# Allegro board TubiiPCB_V6.brd (continued)
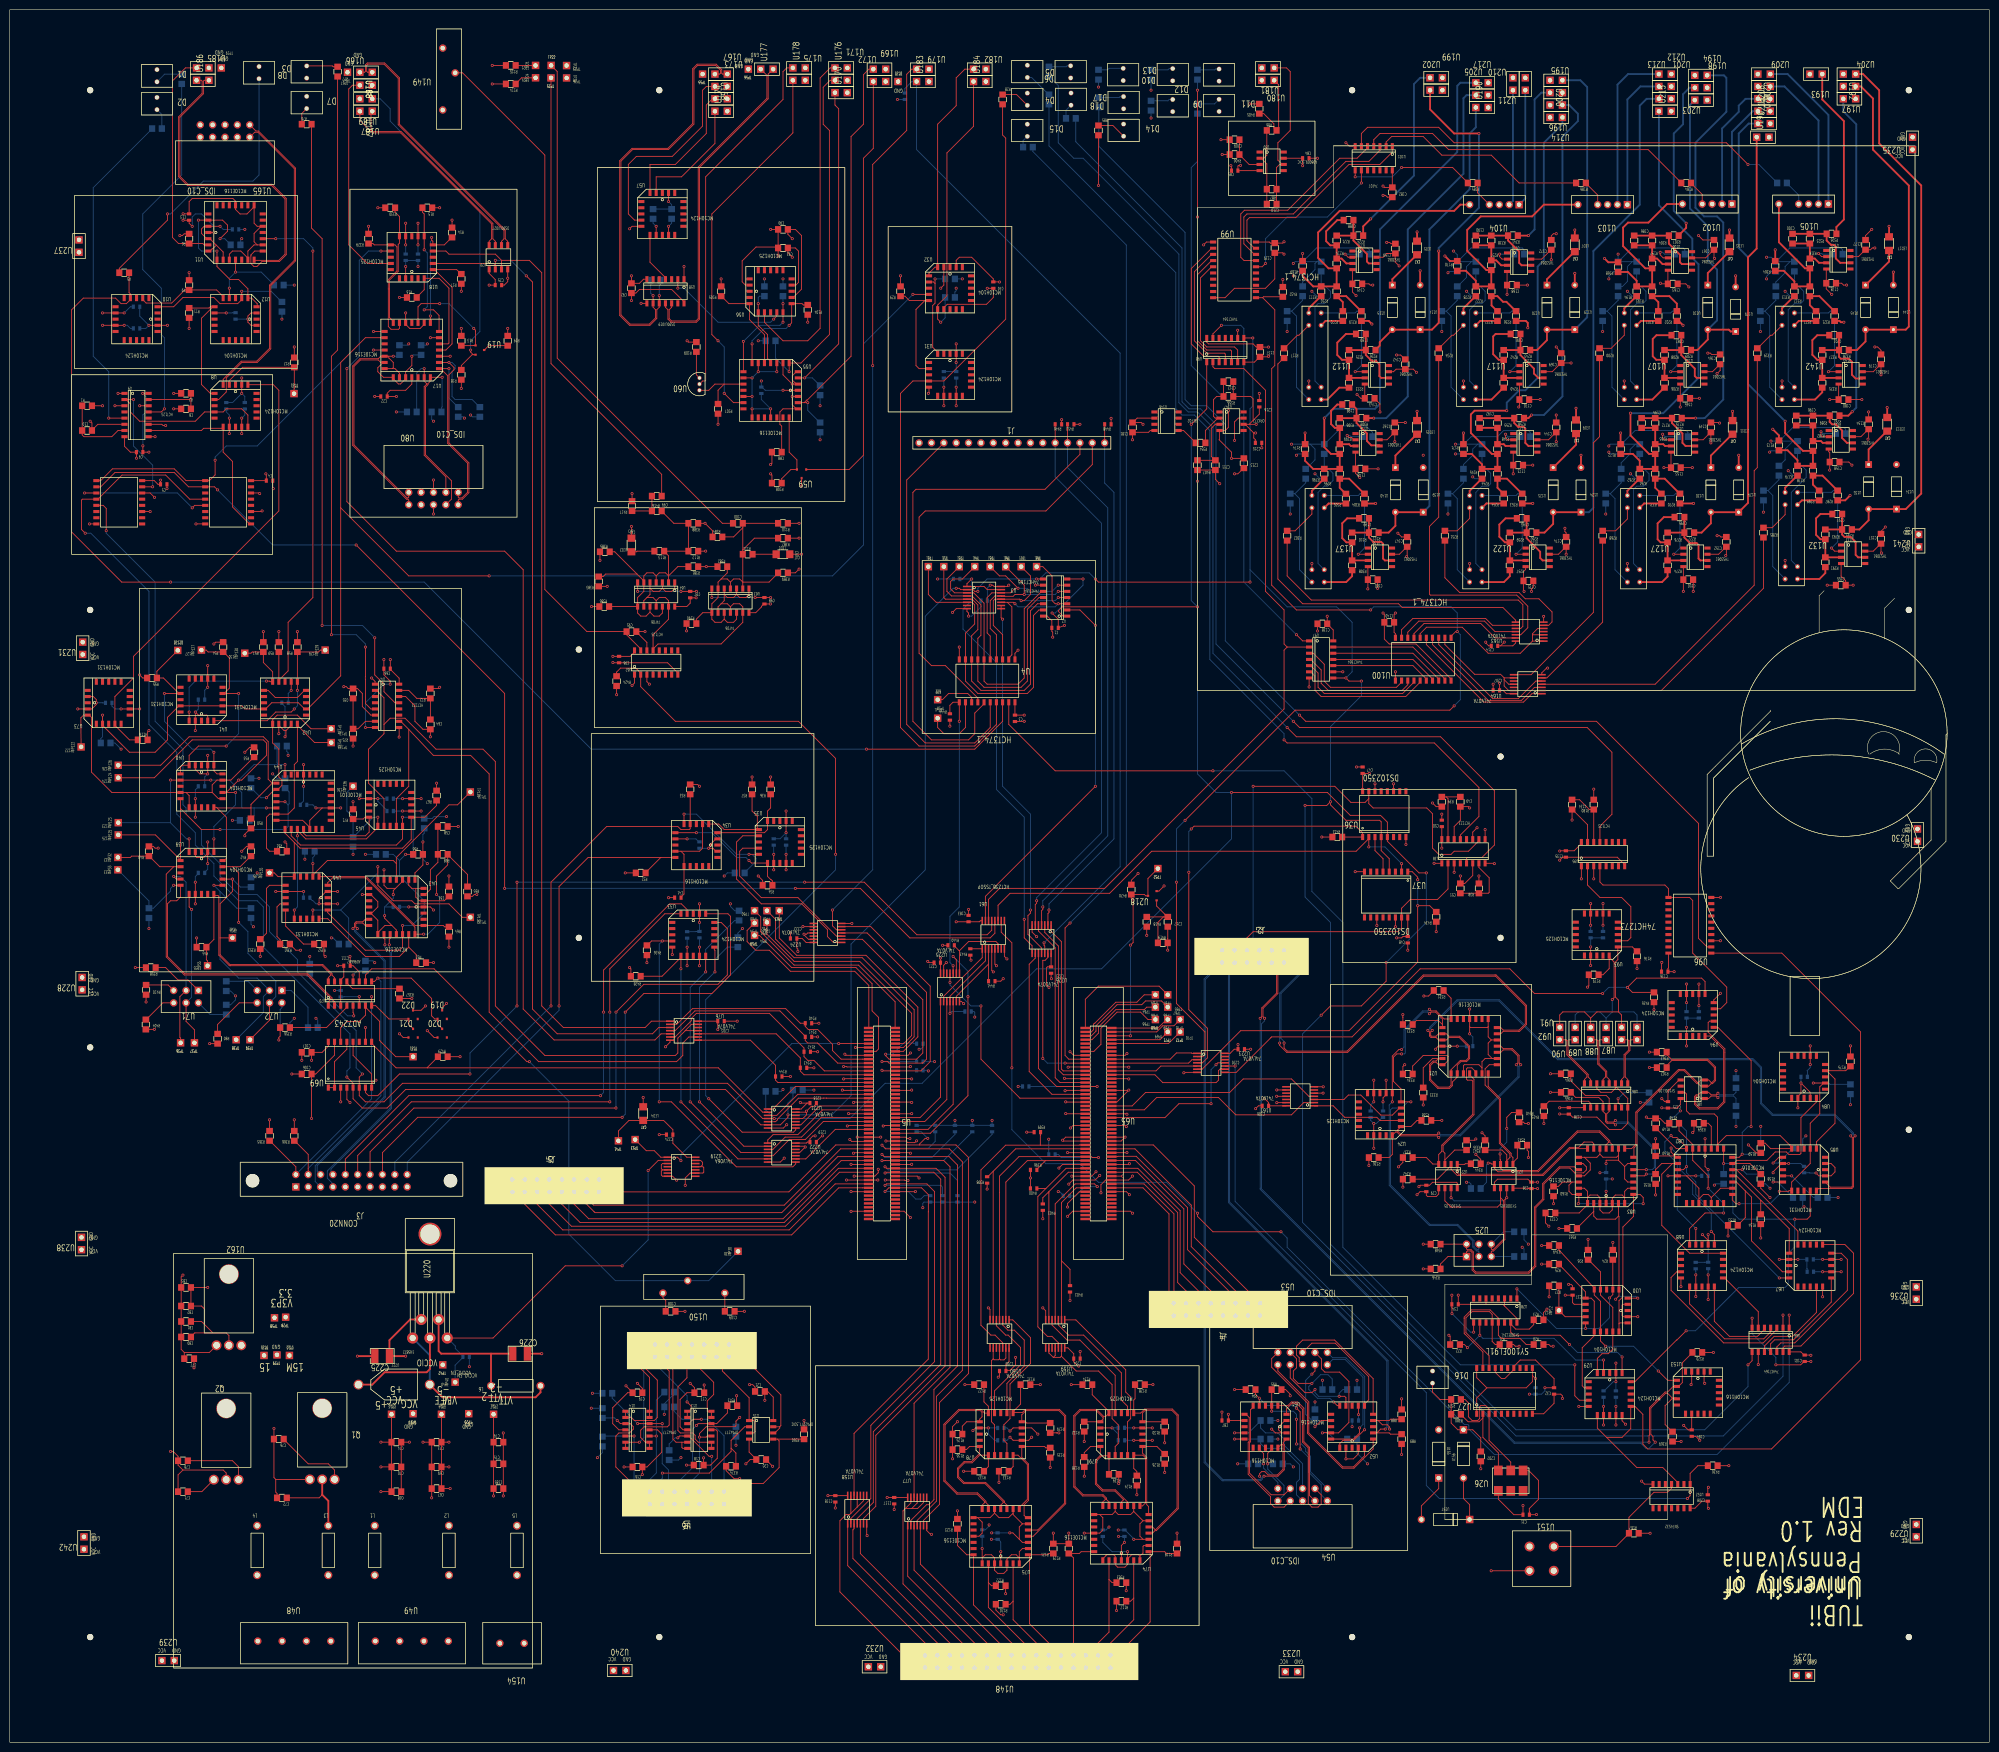
[diagram p0: board, top side]
## Routing (per net, layer and track width the routed paths; a pad name or vN(x,y) marks a point on that pad's centre or on a via; arc(x,y) is an arc through that point) (continued)
41.03,202.96 ; v1(40.64,202.56) 41.03,202.17 ; U182.2 201.08,344.08 ; U182.2 199.73,344.08 ; U182.2 201.08,342.73 ; U182.2 199.73,342.73 ; 37.71,211.06 v1(38.1,211.45) ; v1(38.1,211.45) 38.49,211.85 ; v1(38.1,211.45) 37.71,211.85 ; v1(38.1,211.45) 38.49,211.06 ; v1(302.89,187.33) 303.29,187.72 ; v1(302.89,187.33) 303.29,186.93 ; v1(302.89,187.33) 302.5,187.72 ; v1(302.89,187.33) 302.5,186.93 ; v1(220.6,42.93) 220.99,42.53 ; v1(220.6,42.93) 220.21,42.53 ; v1(220.6,42.93) 220.99,43.32 ; v1(220.6,42.93) 220.21,43.32 ; 54.85,144.54 v1(55.25,144.15) ; v1(55.25,144.15) 55.64,143.75 ; v1(55.25,144.15) 55.64,144.54 ; v1(55.25,144.15) 54.85,143.75 ; D17.1 218.38,339 ; D17.1 217.39,338.01 ; D17.1 217.39,339 ; D17.1 218.38,338.01 ; v1(149.1,60.96) 149.49,60.57 ; v1(149.1,60.96) 149.49,61.35 ; v1(149.1,60.96) 148.7,61.35 ; v1(149.1,60.96) 148.7,60.57 ; 250.98,88.24 J4.6 ; J4.6 252.32,88.24 ; J4.6 250.98,86.89 ; J4.6 252.32,86.89 ; 188.05,340.19 U183.2 ; U183.2 189.4,341.54 ; U183.2 188.05,341.54 ; U183.2 189.4,340.19 ; 120.26,58.81 v1(120.65,58.42) ; v1(120.65,58.42) 120.26,58.03 ; v1(120.65,58.42) 121.04,58.81 ; v1(120.65,58.42) 121.04,58.03 ; 159.88,166.51 v1(160.27,166.12) ; v1(160.27,166.12) 159.88,165.72 ; v1(160.27,166.12) 160.67,165.72 ; v1(160.27,166.12) 160.67,166.51 ; 338.77,160.46 v1(339.17,160.07) ; v1(339.17,160.07) 339.56,159.67 ; v1(339.17,160.07) 339.56,160.46 ; v1(339.17,160.07) 338.77,159.67 ; 329.35,77.43 v1(329.75,77.82) ; v1(329.75,77.82) 330.14,77.43 ; v1(329.75,77.82) 330.14,78.21 ; v1(329.75,77.82) 329.35,78.21 ; v1(17.78,213.36) 18.17,212.97 ; v1(17.78,213.36) 17.39,213.75 ; v1(17.78,213.36) 18.17,213.75 ; v1(17.78,213.36) 17.39,212.97 ; 185.31,107.3 v1(184.91,107.7) 184.52,107.3 ; 188.84,43.07 v1(189.23,42.67) ; v1(189.23,42.67) 188.84,42.28 ; v1(189.23,42.67) 189.62,43.07 ; v1(189.23,42.67) 189.62,42.28 ; v1(90.17,177.8) 90.56,177.41 ; v1(90.17,177.8) 89.78,178.19 ; v1(90.17,177.8) 89.78,177.41 ; v1(90.17,177.8) 90.56,178.19 ; v1(78.74,173.99) 79.13,174.38 ; v1(78.74,173.99) 79.13,173.6 ; v1(78.74,173.99) 78.35,173.6 ; v1(78.74,173.99) 78.35,174.38 ; 307.94,340.96 U211.2 ; U211.2 309.28,342.3 ; U211.2 309.28,340.96 ; U211.2 307.94,342.3 ; 219.37,80.61 v1(219.76,80.21) ; v1(219.76,80.21) 220.15,79.82 ; v1(219.76,80.21) 220.15,80.61 ; v1(219.76,80.21) 219.37,79.82 ; J4.2 257.4,86.89 ; J4.2 257.4,88.24 ; J4.2 256.06,88.24 ; J4.2 256.06,86.89 ; 14.31,225.13 U231.2 ; U231.2 15.66,226.48 ; U231.2 15.66,225.13 ; U231.2 14.31,226.48 ; 297.42,178.19 v1(297.81,177.8) ; v1(297.81,177.8) 298.21,177.41 ; v1(297.81,177.8) 297.42,177.41 ; v1(297.81,177.8) 298.21,178.19 ; 208.42,343.71 D5.1 ; D5.1 209.41,343.71 ; D5.1 208.42,344.7 ; D5.1 209.41,344.7 ; 273.93,57.77 v1(274.32,58.17) ; v1(274.32,58.17) 274.71,57.77 ; v1(274.32,58.17) 273.93,58.56 ; v1(274.32,58.17) 274.71,58.56 ; v1(74.68,289.56) 75.07,289.17 ; v1(74.68,289.56) 75.07,289.95 ; v1(74.68,289.56) 74.28,289.95 ; v1(74.68,289.56) 74.28,289.17 ; v1(55.25,207.01) 55.64,207.4 ; v1(55.25,207.01) 54.85,206.62 ; v1(55.25,207.01) 54.85,207.4 ; v1(55.25,207.01) 55.64,206.62 ; 68.67,342.1 TP57.1 ; TP57.1 70.02,342.1 ; TP57.1 68.67,343.45 ; TP57.1 70.02,343.45 ; 378.29,337.99 U204.2 ; U204.2 379.64,336.64 ; U204.2 379.64,337.99 ; U204.2 378.29,336.64 ; U185.2 41.57,344.34 ; U185.2 41.57,342.99 ; U185.2 40.22,342.99 ; U185.2 40.22,344.34 ; D15.1 209.41,332.6 ; D15.1 209.41,331.61 ; D15.1 208.42,332.6 ; D15.1 208.42,331.61 ; 211.7,89.55 v1(212.09,89.15) ; v1(212.09,89.15) 211.7,88.76 ; v1(212.09,89.15) 212.48,89.55 ; v1(212.09,89.15) 212.48,88.76 ; U148.8 219.05,14.63 ; U148.8 217.7,15.98 ; U148.8 219.05,15.98 ; U148.8 217.7,14.63 ; 269.24,132.84 v1(269.63,133.23) ; v1(269.63,133.23) 270.02,132.84 ; v1(269.63,133.23) 270.02,133.63 ; v1(269.63,133.23) 269.24,133.63 ; v1(86.61,50.16) 87.01,49.77 ; v1(86.61,50.16) 86.22,49.77 ; v1(86.61,50.16) 86.22,50.56 ; v1(86.61,50.16) 87.01,50.56 ; 314.77,72.37 v1(315.17,72.77) ; v1(315.17,72.77) 315.56,73.16 ; v1(315.17,72.77) 314.77,73.16 ; v1(315.17,72.77) 315.56,72.37 ; 275.83,178.3 v1(276.22,178.69) ; v1(276.22,178.69) 275.83,179.08 ; v1(276.22,178.69) 276.62,179.08 ; v1(276.22,178.69) 276.62,178.3 ; 240.82,88.24 J4.14 ; J4.14 240.82,86.89 ; J4.14 242.16,88.24 ; J4.14 242.16,86.89 ; 276.11,199.78 v1(276.5,200.18) ; v1(276.5,200.18) 276.11,200.57 ; v1(276.5,200.18) 276.9,200.57 ; v1(276.5,200.18) 276.9,199.78 ; 33.26,273.29 v1(33.66,273.69) ; v1(33.66,273.69) 33.26,274.08 ; v1(33.66,273.69) 34.05,274.08 ; v1(33.66,273.69) 34.05,273.29 ; 202.81,300.11 v1(203.2,299.72) ; v1(203.2,299.72) 203.59,299.33 ; v1(203.2,299.72) 202.81,299.33 ; v1(203.2,299.72) 203.59,300.11 ; 50.69,343.45 D3.1 ; D3.1 51.68,344.44 ; D3.1 51.68,343.45 ; D3.1 50.69,344.44 ; 292.02,180.8 v1(292.42,180.4) ; v1(292.42,180.4) 292.81,180.8 ; v1(292.42,180.4) 292.02,180.01 ; v1(292.42,180.4) 292.81,180.01 ; 391.25,248.58 U241.2 ; U241.2 392.6,248.58 ; U241.2 391.25,247.23 ; U241.2 392.6,247.23 ; 338.77,130.62 v1(339.17,130.22) ; v1(339.17,130.22) 339.56,130.62 ; v1(339.17,130.22) 339.56,129.83 ; v1(339.17,130.22) 338.77,129.83 ; 152.01,275.83 v1(152.4,276.23) ; v1(152.4,276.23) 152.79,275.83 ; v1(152.4,276.23) 152.79,276.62 ; v1(152.4,276.23) 152.01,276.62 ; v1(248.87,67.77) 249.26,67.37 ; v1(248.87,67.77) 248.48,68.16 ; v1(248.87,67.77) 249.26,68.16 ; v1(248.87,67.77) 248.48,67.37 ; 248.44,88.24 J4.8 ; J4.8 249.78,86.89 ; J4.8 249.78,88.24 ; J4.8 248.44,86.89 ; v1(204.72,160.78) 205.12,161.18 ; v1(204.72,160.78) 204.33,160.39 ; v1(204.72,160.78) 204.33,161.18 ; v1(204.72,160.78) 205.12,160.39 ; v1(59.69,162.56) 60.08,162.95 ; v1(59.69,162.56) 59.3,162.95 ; v1(59.69,162.56) 60.08,162.17 ; v1(59.69,162.56) 59.3,162.17 ; 348.35,51.93 v1(348.74,52.32) ; v1(348.74,52.32) 348.35,52.72 ; v1(348.74,52.32) 349.14,51.93 ; v1(348.74,52.32) 349.14,52.72 ; v1(194.31,283.21) 194.7,282.82 ; v1(194.31,283.21) 194.7,283.6 ; v1(194.31,283.21) 193.92,283.6 ; v1(194.31,283.21) 193.92,282.82 ; 263.74,15.15 U233.2 ; U233.2 265.09,13.8 ; U233.2 265.09,15.15 ; U233.2 263.74,13.8 ; U48.2 56.6,20.09 ; U48.2 55.26,21.44 ; U48.2 56.6,21.44 ; U48.2 55.26,20.09 ; 219.95,238.37 v1(220.34,238.76) ; v1(220.34,238.76) 220.74,239.15 ; v1(220.34,238.76) 219.95,239.15 ; v1(220.34,238.76) 220.74,238.37 ; U213.2 341.8,343.07 ; U213.2 340.45,341.72 ; U213.2 340.45,343.07 ; U213.2 341.8,341.72 ; v1(348.69,104.19) 349.08,103.79 ; v1(348.69,104.19) 348.3,103.79 ; v1(348.69,104.19) 348.3,104.58 ; 340.04,116.65 v1(340.44,116.25) ; v1(340.44,116.25) 340.83,115.86 ; v1(340.44,116.25) 340.04,115.86 ; v1(340.44,116.25) 340.83,116.65 ; 143.75,234.56 v1(144.15,234.95) ; v1(144.15,234.95) 144.54,234.56 ; v1(144.15,234.95) 143.75,235.34 ; v1(144.15,234.95) 144.54,235.34 ; 210.43,165.75 v1(210.82,165.35) ; v1(210.82,165.35) 210.43,164.96 ; v1(210.82,165.35) 211.21,165.75 ; v1(210.82,165.35) 211.21,164.96 ; U200.2 316.9,341.8 ; U200.2 315.56,341.8 ; U200.2 315.56,340.45 ; U200.2 316.9,340.45 ; v1(280.03,121.92) 280.43,122.31 ; v1(280.03,121.92) 279.64,121.53 ; v1(280.03,121.92) 280.43,121.53 ; v1(280.03,121.92) 279.64,122.31 ; v1(32.28,257.33) 32.68,257.72 ; v1(32.28,257.33) 31.89,256.93 ; v1(32.28,257.33) 31.89,257.72 ; v1(32.28,257.33) 32.68,256.93 ; v1(367.74,135.3) 368.13,134.91 ; v1(367.74,135.3) 368.13,135.7 ; v1(367.74,135.3) 367.35,134.91 ; v1(367.74,135.3) 367.35,135.7 ; 79.39,20.09 U49.2 ; U49.2 80.73,20.09 ; U49.2 80.73,21.44 ; U49.2 79.39,21.44 ; v1(176.02,42.42) 176.42,42.02 ; v1(176.02,42.42) 175.63,42.02 ; v1(176.02,42.42) 175.63,42.81 ; v1(176.02,42.42) 176.42,42.81 ; 366.71,130.62 v1(367.11,130.22) ; v1(367.11,130.22) 367.5,129.83 ; v1(367.11,130.22) 366.71,129.83 ; v1(367.11,130.22) 367.5,130.62 ; 345.12,124.75 v1(345.52,125.14) ; v1(345.52,125.14) 345.91,124.75 ; v1(345.52,125.14) 345.12,125.54 ; v1(345.52,125.14) 345.91,125.54 ; 346.57,62.37 v1(346.96,61.98) ; v1(346.96,61.98) 347.36,62.37 ; v1(346.96,61.98) 347.36,61.58 ; v1(346.96,61.98) 346.57,61.58 ; 390.74,92.8 U236.2 ; U236.2 392.09,94.15 ; U236.2 390.74,94.15 ; U236.2 392.09,92.8 ; 269.27,134.93 v1(269.66,134.53) ; v1(269.66,134.53) 270.06,134.93 ; v1(269.66,134.53) 269.27,134.14 ; v1(269.66,134.53) 270.06,134.14 ; 82.13,68.11 TP27.1 ; TP27.1 83.48,66.76 ; TP27.1 82.13,66.76 ; TP27.1 83.48,68.11 ; U148.30 191.11,14.63 ; U148.30 189.76,14.63 ; U148.30 189.76,15.98 ; U148.30 191.11,15.98 ; U195.2 319.44,337.91 ; U195.2 318.1,337.91 ; U195.2 319.44,339.26 ; U195.2 318.1,339.26 ; 196.46,171.34 v1(196.85,170.94) ; v1(196.85,170.94) 197.24,171.34 ; v1(196.85,170.94) 197.24,170.55 ; v1(196.85,170.94) 196.46,170.55 ; v1(102.23,300.48) 102.63,300.09 ; v1(102.23,300.48) 101.84,300.88 ; v1(102.23,300.48) 102.63,300.88 ; v1(102.23,300.48) 101.84,300.09 ; U148.2 226.67,15.98 ; U148.2 226.67,14.63 ; U148.2 225.32,15.98 ; U148.2 225.32,14.63 ; 370.45,117.23 v1(370.84,116.84) ; v1(370.84,116.84) 371.23,117.23 ; v1(370.84,116.84) 371.23,116.45 ; v1(370.84,116.84) 370.45,116.45 ; 162.45,167.81 v1(162.84,167.41) ; v1(162.84,167.41) 163.23,167.02 ; v1(162.84,167.41) 162.45,167.02 ; v1(162.84,167.41) 163.23,167.81 ; v1(140.97,236.22) 141.36,236.61 ; v1(140.97,236.22) 140.58,236.61 ; v1(140.97,236.22) 141.36,235.83 ; v1(140.97,236.22) 140.58,235.83 ; v1(327.74,118.79) 328.13,118.4 ; v1(327.74,118.79) 328.13,119.19 ; v1(327.74,118.79) 327.34,118.4 ; v1(327.74,118.79) 327.34,119.19 ; U149.1 89.57,335.7 ; U149.1 89.57,334.35 ; U149.1 88.23,334.35 ; U149.1 88.23,335.7 ; 336.38,42.5 v1(336.77,42.9) ; v1(336.77,42.9) 337.17,42.5 ; v1(336.77,42.9) 337.17,43.29 ; v1(336.77,42.9) 336.38,43.29 ; v1(159.38,191.13) 159.78,190.74 ; v1(159.38,191.13) 158.99,191.53 ; v1(159.38,191.13) 158.99,190.74 ; v1(159.38,191.13) 159.78,191.53 ; v1(28.57,290.83) 28.97,291.22 ; v1(28.57,290.83) 28.97,290.44 ; v1(28.57,290.83) 28.18,291.22 ; v1(28.57,290.83) 28.18,290.44 ; v1(82.04,61.59) 82.44,61.99 ; v1(82.04,61.59) 81.65,61.99 ; v1(82.04,61.59) 82.44,61.2 ; v1(82.04,61.59) 81.65,61.2 ; 340.45,340.53 U212.2 ; U212.2 340.45,339.18 ; U212.2 341.8,340.53 ; U212.2 341.8,339.18 ; v1(40.64,184.78) 41.03,184.39 ; v1(40.64,184.78) 40.25,185.18 ; v1(40.64,184.78) 41.03,185.18 ; v1(40.64,184.78) 40.25,184.39 ; U196.2 316.9,335.37 ; U196.2 316.9,336.72 ; U196.2 315.56,335.37 ; U196.2 315.56,336.72 ; v1(156.21,310.51) 156.6,310.91 ; v1(156.21,310.51) 155.82,310.91 ; v1(156.21,310.51) 155.82,310.12 ; v1(156.21,310.51) 156.6,310.12 ; 91.68,187.57 v1(92.08,187.96) ; v1(92.08,187.96) 92.47,187.57 ; v1(92.08,187.96) 91.68,188.35 ; v1(92.08,187.96) 92.47,188.35 ; v1(119.63,71.63) 120.03,72.02 ; v1(119.63,71.63) 119.24,71.23 ; v1(119.63,71.63) 119.24,72.02 ; v1(119.63,71.63) 120.03,71.23 ; 333.84,86.95 v1(334.23,87.35) ; v1(334.23,87.35) 334.63,86.95 ; v1(334.23,87.35) 333.84,87.74 ; v1(334.23,87.35) 334.63,87.74 ; v1(304.8,180.34) 305.19,180.73 ; v1(304.8,180.34) 305.19,179.95 ; v1(304.8,180.34) 304.41,179.95 ; v1(304.8,180.34) 304.41,180.73 ; 179.16,341.54 U169.2 ; U169.2 180.51,341.54 ; U169.2 180.51,340.19 ; U169.2 179.16,340.19 ; v1(81.28,302.89) 81.67,303.29 ; v1(81.28,302.89) 80.89,303.29 ; v1(81.28,302.89) 80.89,302.5 ; v1(81.28,302.89) 81.67,302.5 ; 172.49,167.67 v1(172.89,168.06) ; v1(172.89,168.06) 173.28,167.67 ; v1(172.89,168.06) 173.28,168.46 ; v1(172.89,168.06) 172.49,168.46 ; U203.2 346.62,341.46 ; U203.2 345.27,342.81 ; U203.2 345.27,341.46 ; U203.2 346.62,342.81 ; 73.9,218.05 v1(74.3,218.44) ; v1(74.3,218.44) 73.9,218.83 ; v1(74.3,218.44) 74.69,218.83 ; v1(74.3,218.44) 74.69,218.05 ; v1(230.76,41.66) 231.15,41.26 ; v1(230.76,41.66) 230.37,42.05 ; v1(230.76,41.66) 230.37,41.26 ; v1(230.76,41.66) 231.15,42.05 ; 188.07,160.67 v1(188.47,160.27) ; v1(188.47,160.27) 188.86,159.88 ; v1(188.47,160.27) 188.86,160.67 ; v1(188.47,160.27) 188.07,159.88 ; 171.28,339.26 U170.2 ; U170.2 172.63,337.91 ; U170.2 171.28,337.91 ; U170.2 172.63,339.26 ; v1(28.83,252.6) 29.22,252.21 ; v1(28.83,252.6) 28.44,252.21 ; v1(28.83,252.6) 28.44,253 ; v1(28.83,252.6) 29.22,253 ; v1(149.22,71.12) 149.62,70.73 ; v1(149.22,71.12) 149.62,71.51 ; v1(149.22,71.12) 148.83,70.73 ; v1(149.22,71.12) 148.83,71.51 ; 43.52,328.76 U165.6 ; U165.6 44.87,328.76 ; U165.6 43.52,330.11 ; U165.6 44.87,330.11 ; 129.21,295.73 v1(129.6,295.34) ; v1(129.6,295.34) 130,295.73 ; v1(129.6,295.34) 130,294.94 ; v1(129.6,295.34) 129.21,294.94 ; v1(143.48,183.49) 143.88,183.1 ; v1(143.48,183.49) 143.88,183.88 ; v1(143.48,183.49) 143.09,183.1 ; v1(143.48,183.49) 143.09,183.88 ; 228.18,331.64 D14.1 ; D14.1 228.18,332.63 ; D14.1 229.17,332.63 ; D14.1 229.17,331.64 ; 194.84,14.63 U148.26 ; U148.26 196.19,14.63 ; U148.26 196.19,15.98 ; U148.26 194.84,15.98 ; 367.98,110.3 v1(368.38,109.9) ; v1(368.38,109.9) 367.98,109.51 ; v1(368.38,109.9) 368.77,109.51 ; v1(368.38,109.9) 368.77,110.3 ; U179.2 189.4,344.08 ; U179.2 189.4,342.73 ; U179.2 188.05,344.08 ; U179.2 188.05,342.73 ; D9.2 239.26,334.19 ; D9.2 239.26,335.18 ; D9.2 238.26,334.19 ; D9.2 238.26,335.18 ; v1(299.72,145.41) 300.11,145.81 ; v1(299.72,145.41) 299.33,145.02 ; v1(299.72,145.41) 300.11,145.02 ; v1(299.72,145.41) 299.33,145.81 ; v1(248.92,325.88) 249.31,326.28 ; v1(248.92,325.88) 248.53,326.28 ; v1(248.92,325.88) 249.31,325.49 ; v1(248.92,325.88) 248.53,325.49 ; 79.55,205.92 v1(79.95,206.31) ; v1(79.95,206.31) 79.55,206.71 ; v1(79.95,206.31) 80.34,205.92 ; v1(79.95,206.31) 80.34,206.71 ; 390.74,45.38 U229.2 ; U229.2 392.09,44.03 ; U229.2 392.09,45.38 ; U229.2 390.74,44.03 ; 99.95,20.99 U154.2 ; U154.2 101.3,19.65 ; U154.2 101.3,20.99 ; U154.2 99.95,19.65 ; v1(29.85,267.97) 30.24,267.58 ; v1(29.85,267.97) 29.45,268.36 ; v1(29.85,267.97) 30.24,268.36 ; v1(29.85,267.97) 29.45,267.58 ; U176.2 172.63,344.34 ; U176.2 171.28,342.99 ; U176.2 172.63,342.99 ; U176.2 171.28,344.34 ; U6.11 134.63,52.1 ; U6.11 134.63,50.75 ; U6.11 133.28,50.75 ; U6.11 133.28,52.1 ; D6.1 218.3,341.1 ; D6.1 217.31,342.09 ; D6.1 218.3,342.09 ; D6.1 217.31,341.1 ; 200.52,89.55 v1(200.91,89.15) ; v1(200.91,89.15) 201.31,88.76 ; v1(200.91,89.15) 200.52,88.76 ; v1(200.91,89.15) 201.31,89.55 ; 324.17,159.04 v1(324.56,159.43) ; v1(324.56,159.43) 324.95,159.83 ; v1(324.56,159.43) 324.17,159.83 ; v1(324.56,159.43) 324.95,159.04 ; 136.83,82.32 U16.6 ; U16.6 136.83,80.98 ; U16.6 138.18,82.32 ; U16.6 138.18,80.98 ; 362.19,77.86 v1(362.58,77.47) ; v1(362.58,77.47) 362.19,77.08 ; v1(362.58,77.47) 362.98,77.08 ; v1(362.58,77.47) 362.98,77.86 ; 100.94,63.88 v1(101.33,63.48) ; v1(101.33,63.48) 101.72,63.09 ; v1(101.33,63.48) 101.72,63.88 ; v1(101.33,63.48) 100.94,63.09 ; v1(35.59,313.72) 35.98,313.32 ; v1(35.59,313.72) 35.19,314.11 ; v1(35.59,313.72) 35.19,313.32 ; v1(35.59,313.72) 35.98,314.11 ; 40.25,198.36 v1(40.64,198.75) ; v1(40.64,198.75) 41.03,199.15 ; v1(40.64,198.75) 40.25,199.15 ; v1(40.64,198.75) 41.03,198.36 ; U80.6 87.67,257.21 ; U80.6 86.32,257.21 ; U80.6 87.67,255.87 ; U80.6 86.32,255.87 ; U230.2 392.34,188.13 ; U230.2 392.34,186.78 ; U230.2 390.99,188.13 ; U230.2 390.99,186.78 ; v1(73.03,208.28) 73.42,208.67 ; v1(73.03,208.28) 72.63,207.89 ; v1(73.03,208.28) 73.42,207.89 ; v1(73.03,208.28) 72.63,208.67 ; v1(169.49,48.08) 169.89,48.48 ; v1(169.49,48.08) 169.1,48.48 ; v1(169.49,48.08) 169.1,47.69 ; v1(169.49,48.08) 169.89,47.69 ; v1(311.99,71.45) 312.39,71.05 ; v1(311.99,71.45) 311.6,71.05 ; v1(311.99,71.45) 311.6,71.84 ; v1(311.99,71.45) 312.39,71.84 ; 331.33,64.88 v1(331.72,65.28) ; v1(331.72,65.28) 331.33,65.67 ; v1(331.72,65.28) 332.12,64.88 ; v1(331.72,65.28) 332.12,65.67 ; 66.28,153.91 v1(66.67,154.31) ; v1(66.67,154.31) 66.28,154.7 ; v1(66.67,154.31) 67.07,154.7 ; v1(66.67,154.31) 67.07,153.91 ; 89.27,189.6 v1(89.66,189.99) ; v1(89.66,189.99) 89.27,190.39 ; v1(89.66,189.99) 90.06,190.39 ; v1(89.66,189.99) 90.06,189.6 ; v1(16.51,271.14) 16.9,271.54 ; v1(16.51,271.14) 16.12,271.54 ; v1(16.51,271.14) 16.9,270.75 ; v1(16.51,271.14) 16.12,270.75 ; 77.71,217.56 v1(78.11,217.17) ; v1(78.11,217.17) 77.71,216.78 ; v1(78.11,217.17) 78.5,216.78 ; v1(78.11,217.17) 78.5,217.56 ; U192.2 377.1,341.72 ; U192.2 375.75,343.07 ; U192.2 375.75,341.72 ; U192.2 377.1,343.07 ; 128.47,73.27 v1(128.86,73.66) ; v1(128.86,73.66) 128.47,74.05 ; v1(128.86,73.66) 129.26,73.27 ; v1(128.86,73.66) 129.26,74.05 ; 350.84,173.8 v1(351.23,173.4) ; v1(351.23,173.4) 351.62,173.01 ; v1(351.23,173.4) 350.84,173.01 ; v1(351.23,173.4) 351.62,173.8 ; U167.2 147.99,339.18 ; U167.2 146.65,339.18 ; U167.2 147.99,340.53 ; U167.2 146.65,340.53 ; v1(268.48,325.12) 268.87,325.51 ; v1(268.48,325.12) 268.87,324.73 ; v1(268.48,325.12) 268.08,324.73 ; v1(268.48,325.12) 268.08,325.51 ; 71.36,193.28 v1(71.76,193.68) ; v1(71.76,193.68) 71.36,194.07 ; v1(71.76,193.68) 72.15,193.28 ; v1(71.76,193.68) 72.15,194.07 ; 157.36,305.46 v1(157.75,305.07) ; v1(157.75,305.07) 157.36,304.68 ; v1(157.75,305.07) 158.14,305.46 ; v1(157.75,305.07) 158.14,304.68 ; 192.3,14.63 U148.28 ; U148.28 193.65,15.98 ; U148.28 192.3,15.98 ; U148.28 193.65,14.63 ; v1(47.62,280.04) 48.02,280.43 ; v1(47.62,280.04) 48.02,279.64 ; v1(47.62,280.04) 47.23,279.64 ; v1(47.62,280.04) 47.23,280.43 ; 347.81,338.92 U194.2 ; U194.2 349.16,338.92 ; U194.2 349.16,340.27 ; U194.2 347.81,340.27 ; v1(84.84,61.59) 85.23,61.99 ; v1(84.84,61.59) 84.44,61.2 ; v1(84.84,61.59) 84.44,61.99 ; v1(84.84,61.59) 85.23,61.2 ; v1(41.04,143.4) 41.43,143.79 ; v1(41.04,143.4) 41.43,143 ; v1(41.04,143.4) 40.64,143 ; v1(41.04,143.4) 40.64,143.79 ; U190.2 304.2,334.86 ; U190.2 304.2,336.21 ; U190.2 302.86,336.21 ; U190.2 302.86,334.86 ; 141.21,171.69 v1(141.6,172.09) ; v1(141.6,172.09) 142,172.48 ; v1(141.6,172.09) 141.21,172.48 ; v1(141.6,172.09) 142,171.69 ; 317.82,181.44 v1(318.21,181.05) ; v1(318.21,181.05) 318.6,180.66 ; v1(318.21,181.05) 318.6,181.44 ; v1(318.21,181.05) 317.82,180.66 ; 141.21,168.67 v1(141.6,168.28) ; v1(141.6,168.28) 141.21,167.88 ; v1(141.6,168.28) 142,167.88 ; v1(141.6,168.28) 142,168.67 ; U148.12 213.97,14.63 ; U148.12 213.97,15.98 ; U148.12 212.62,14.63 ; U148.12 212.62,15.98 ; 230.11,267.73 v1(230.5,267.33) 230.11,266.94 ; 222.78,14.63 U148.4 ; U148.4 222.78,15.98 ; U148.4 224.13,14.63 ; U148.4 224.13,15.98 ; 100.94,50.17 v1(101.33,50.56) ; v1(101.33,50.56) 101.72,50.17 ; v1(101.33,50.56) 100.94,50.95 ; v1(101.33,50.56) 101.72,50.95 ; 152.01,273.29 v1(152.4,273.69) ; v1(152.4,273.69) 152.79,274.08 ; v1(152.4,273.69) 152.79,273.29 ; v1(152.4,273.69) 152.01,274.08 ; v1(127.76,216.92) 128.16,216.52 ; v1(127.76,216.92) 127.37,217.31 ; v1(127.76,216.92) 128.16,217.31 ; v1(127.76,216.92) 127.37,216.52 ; 14.19,156.3 U228.2 ; U228.2 15.53,157.65 ; U228.2 14.19,157.65 ; U228.2 15.53,156.3 ; 86.32,253.33 U80.5 ; U80.5 87.67,253.33 ; U80.5 86.32,254.67 ; U80.5 87.67,254.67 ; v1(123.83,221.62) 124.22,221.22 ; v1(123.83,221.62) 123.43,221.22 ; v1(123.83,221.62) 124.22,222.01 ; v1(123.83,221.62) 123.43,222.01 ; v1(92.71,277.88) 93.1,277.48 ; v1(92.71,277.88) 92.32,277.48 ; v1(92.71,277.88) 92.32,278.27 ; v1(92.71,277.88) 93.1,278.27 ; 25.62,263.94 v1(26.01,263.55) ; v1(26.01,263.55) 26.4,263.94 ; v1(26.01,263.55) 26.4,263.16 ; v1(26.01,263.55) 25.62,263.16 ; v1(26.67,274.32) 27.06,274.71 ; v1(26.67,274.32) 26.28,273.93 ; v1(26.67,274.32) 27.06,273.93 ; v1(26.67,274.32) 26.28,274.71 ; 152.64,235.34 v1(153.03,234.95) ; v1(153.03,234.95) 153.43,234.56 ; v1(153.03,234.95) 152.64,234.56 ; v1(153.03,234.95) 153.43,235.34 ; v1(35.56,95.88) 35.95,95.49 ; v1(35.56,95.88) 35.17,95.49 ; v1(35.56,95.88) 35.17,96.28 ; v1(35.56,95.88) 35.95,96.28 ; 128.51,236.61 v1(128.91,236.22) ; v1(128.91,236.22) 129.3,235.83 ; v1(128.91,236.22) 129.3,236.61 ; v1(128.91,236.22) 128.51,235.83 ; v1(22.22,276.86) 22.62,276.47 ; v1(22.22,276.86) 22.62,277.25 ; v1(22.22,276.86) 21.83,277.25 ; v1(22.22,276.86) 21.83,276.47 ; 250.3,323.2 v1(250.7,323.6) ; v1(250.7,323.6) 250.3,323.99 ; v1(250.7,323.6) 251.09,323.2 ; v1(250.7,323.6) 251.09,323.99 ; 137.4,235.83 v1(137.8,236.22) ; v1(137.8,236.22) 138.19,236.61 ; v1(137.8,236.22) 137.4,236.61 ; v1(137.8,236.22) 138.19,235.83 ; 320.36,188.88 v1(320.75,189.28) ; v1(320.75,189.28) 321.14,189.67 ; v1(320.75,189.28) 321.14,188.88 ; v1(320.75,189.28) 320.36,189.67 ; 344.79,73.8 v1(345.19,73.41) ; v1(345.19,73.41) 345.58,73.01 ; v1(345.19,73.41) 344.79,73.01 ; v1(345.19,73.41) 345.58,73.8 ; 345.76,116.65 v1(346.15,116.25) ; v1(346.15,116.25) 345.76,115.86 ; v1(346.15,116.25) 346.54,116.65 ; v1(346.15,116.25) 346.54,115.86 ; 157.09,281.7 v1(157.48,281.31) ; v1(157.48,281.31) 157.09,280.91 ; v1(157.48,281.31) 157.87,280.91 ; v1(157.48,281.31) 157.87,281.7 ; U172.2 180.51,344.08 ; U172.2 179.16,344.08 ; U172.2 179.16,342.73 ; U172.2 180.51,342.73 ; 200.68,44.22 v1(201.07,44.61) ; v1(201.07,44.61) 200.68,45 ; v1(201.07,44.61) 201.46,44.22 ; v1(201.07,44.61) 201.46,45 ; J4.12 244.7,88.24 ; J4.12 243.36,86.89 ; J4.12 244.7,86.89 ; J4.12 243.36,88.24 ; 197.38,15.98 U148.24 ; U148.24 197.38,14.63 ; U148.24 198.73,15.98 ; U148.24 198.73,14.63 ; 127.37,256.68 v1(127.76,256.29) ; v1(127.76,256.29) 127.37,255.89 ; v1(127.76,256.29) 128.16,256.68 ; v1(127.76,256.29) 128.16,255.89 ; 334.63,53.99 v1(335.03,53.59) ; v1(335.03,53.59) 334.63,53.2 ; v1(335.03,53.59) 335.42,53.99 ; v1(335.03,53.59) 335.42,53.2 ; 369.38,78.55 v1(369.77,78.15) ; v1(369.77,78.15) 370.17,77.76 ; v1(369.77,78.15) 369.38,77.76 ; v1(369.77,78.15) 370.17,78.55 ; 357.31,86.65 v1(357.71,87.04) ; v1(357.71,87.04) 358.1,87.44 ; v1(357.71,87.04) 357.31,87.44 ; v1(357.71,87.04) 358.1,86.65 ; 82.16,153.05 v1(82.55,152.65) ; v1(82.55,152.65) 82.94,152.26 ; v1(82.55,152.65) 82.16,152.26 ; v1(82.55,152.65) 82.94,153.05 ; U198.2 349.16,336.38 ; U198.2 347.81,336.38 ; U198.2 347.81,337.73 ; U198.2 349.16,337.73 ; 200.52,64.12 v1(200.91,64.52) ; v1(200.91,64.52) 201.31,64.91 ; v1(200.91,64.52) 201.31,64.12 ; v1(200.91,64.52) 200.52,64.91 ; U201.2 341.8,337.99 ; U201.2 340.45,336.64 ; U201.2 340.45,337.99 ; U201.2 341.8,336.64 ; v1(280.03,127) 280.43,126.61 ; v1(280.03,127) 279.64,126.61 ; v1(280.03,127) 280.43,127.39 ; v1(280.03,127) 279.64,127.39 ; 29.73,337.1 D2.1 ; D2.1 29.73,338.09 ; D2.1 30.72,338.09 ; D2.1 30.72,337.1 ; U6.12 134.63,49.56 ; U6.12 133.28,48.21 ; U6.12 134.63,48.21 ; U6.12 133.28,49.56 ; v1(127.63,249.56) 128.03,249.16 ; v1(127.63,249.56) 127.24,249.16 ; v1(127.63,249.56) 128.03,249.95 ; v1(127.63,249.56) 127.24,249.95 ; v1(152.4,280.04) 152.79,279.64 ; v1(152.4,280.04) 152.01,280.43 ; v1(152.4,280.04) 152.01,279.64 ; v1(152.4,280.04) 152.79,280.43 ; U148.22 201.27,15.98 ; U148.22 199.92,15.98 ; U148.22 201.27,14.63 ; U148.22 199.92,14.63 ; TP56.1 152.31,342.73 ; TP56.1 150.96,344.08 ; TP56.1 152.31,344.08 ; TP56.1 150.96,342.73 ; v1(347.98,73.66) 348.37,73.27 ; v1(347.98,73.66) 347.59,74.05 ; v1(347.98,73.66) 347.59,73.27 ; v1(347.98,73.66) 348.37,74.05 ; 291.6,75.7 D16.1 ; D16.1 292.6,76.7 ; D16.1 291.6,76.7 ; D16.1 292.6,75.7 ; v1(325.2,177.21) 325.59,177.61 ; v1(325.2,177.21) 324.8,177.61 ; v1(325.2,177.21) 325.59,176.82 ; v1(325.2,177.21) 324.8,176.82 ; 76.57,170.06 v1(76.96,169.67) ; v1(76.96,169.67) 77.35,169.28 ; v1(76.96,169.67) 77.35,170.06 ; v1(76.96,169.67) 76.57,169.28 ; 310.28,48.98 v1(310.67,48.59) ; v1(310.67,48.59) 311.07,48.98 ; v1(310.67,48.59) 310.28,48.19 ; v1(310.67,48.59) 311.07,48.19 ; 73.75,340.78 U166.2 ; U166.2 75.1,339.43 ; U166.2 73.75,339.43 ; U166.2 75.1,340.78 ; U238.2 15.41,102.96 ; U238.2 14.06,102.96 ; U238.2 14.06,104.31 ; U238.2 15.41,104.31 ; 343.85,142.53 v1(344.25,142.92) ; v1(344.25,142.92) 344.64,143.32 ; v1(344.25,142.92) 344.64,142.53 ; v1(344.25,142.92) 343.85,143.32 ; v1(32.39,290.83) 32.78,291.22 ; v1(32.39,290.83) 31.99,291.22 ; v1(32.39,290.83) 31.99,290.44 ; v1(32.39,290.83) 32.78,290.44 ; v1(109.22,79.76) 109.61,79.36 ; v1(109.22,79.76) 108.83,79.36 ; v1(109.22,79.76) 109.61,80.15 ; v1(109.22,79.76) 108.83,80.15 ; U148.32 188.57,14.63 ; U148.32 187.22,15.98 ; U148.32 187.22,14.63 ; U148.32 188.57,15.98 ; 125.73,56.11 v1(126.12,56.5) ; v1(126.12,56.5) 125.73,56.9 ; v1(126.12,56.5) 126.51,56.9 ; v1(126.12,56.5) 126.51,56.11